# Allegro board HI3516APERB_VER_B_PCB.brd (continued)
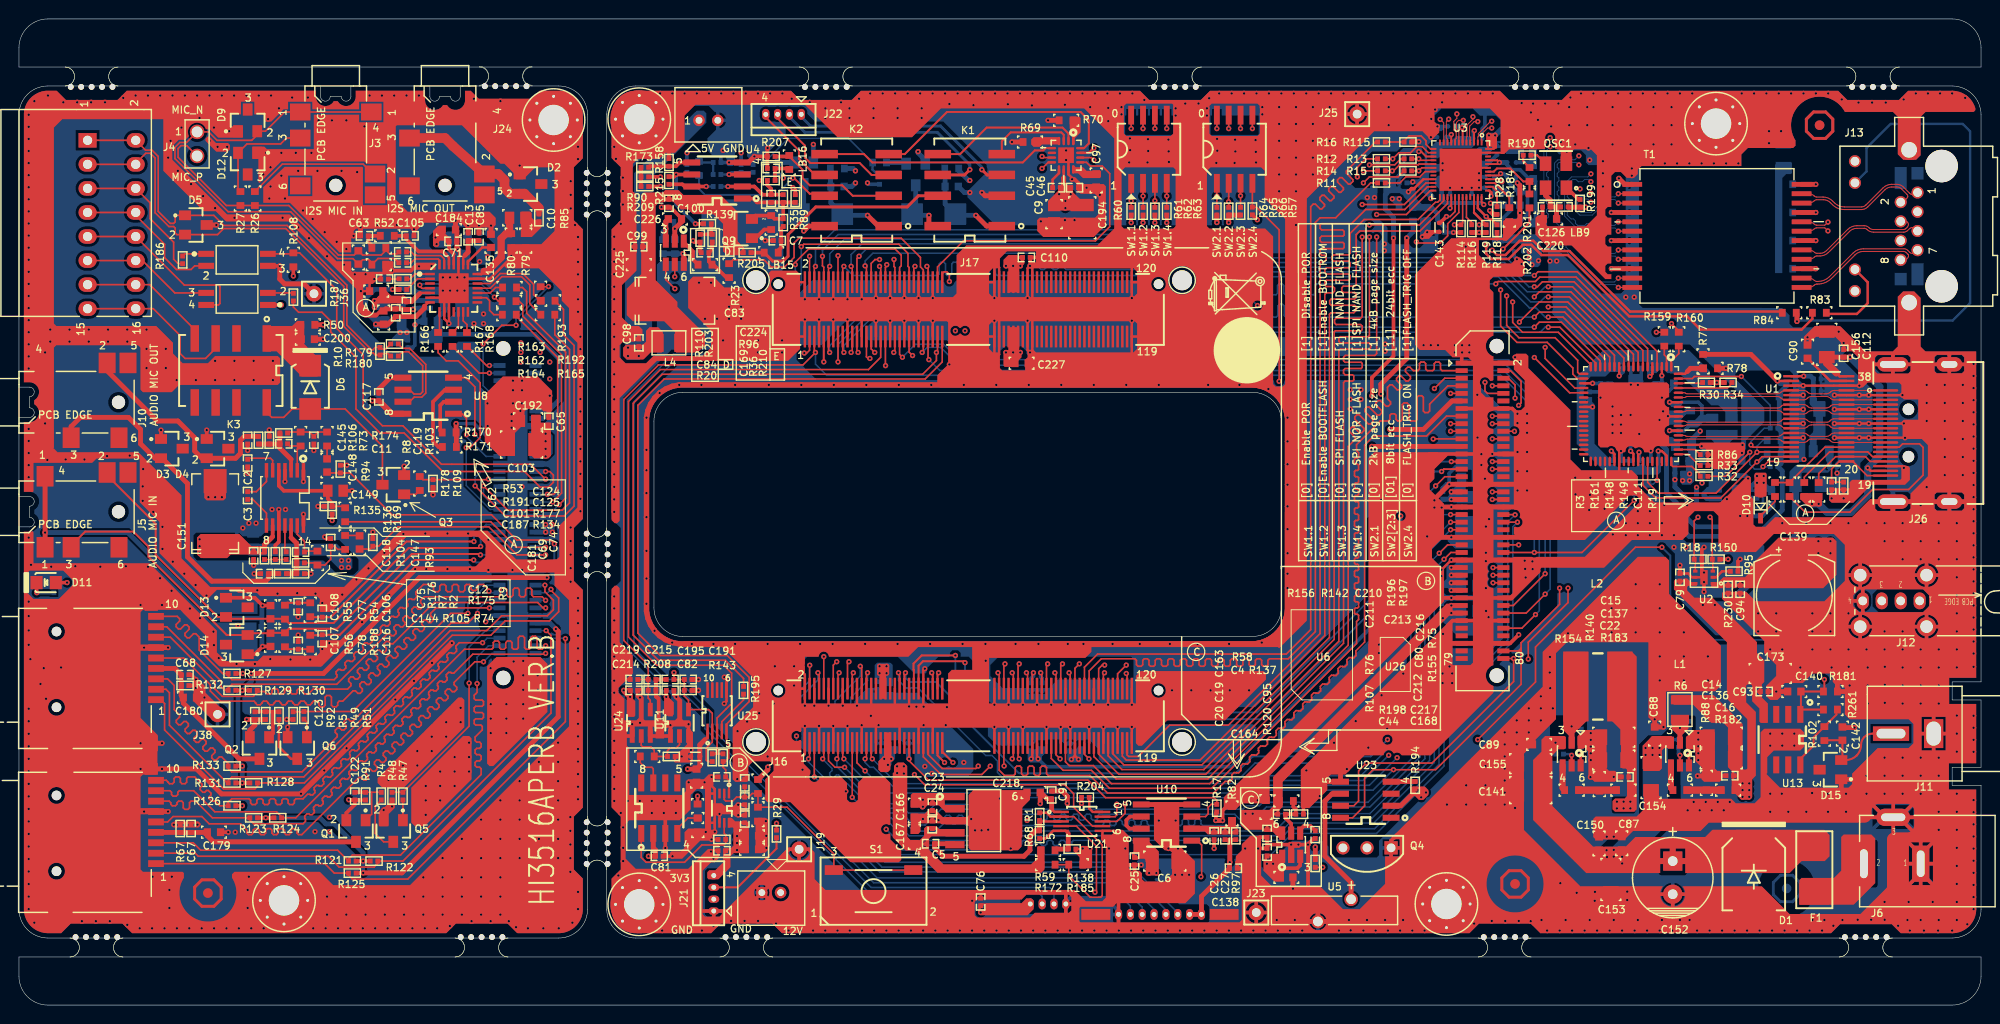
[diagram p0: board, top side]
## Routing (per net, layer and track width the routed paths; a pad name or vN(x,y) marks a point on that pad's centre or on a via; arc(x,y) is an arc through that point) (continued)
  ART03 w0.165: v1(159.26,36.54) 159.2,36.6 v1(157.71,36.6) ; v1(163.45,44.04) 163.45,64.23 170.28,71.06 v1(172.77,71.06)
  ART04 w0.165: v1(92.8,35.1) 92.8,36.58 92.46,36.92 86.11,36.92 85.34,36.16 84.33,36.16 83.69,36.8 68.25,36.8 65.2,39.85 65.2,65.67 69.22,69.69 v1(69.22,75.66)
  BOTTOM w0.165: v1(142.18,25.56) 130.43,25.56 128.76,23.89 103.94,23.89 103.25,24.58 103.25,25.77 102.67,26.36 102.01,26.36 94.87,33.5 93.6,33.5 92.8,34.29 v1(92.8,35.1)
I2C2_SDA_C: length 4.3
  TOP w0.165: R168.2 47.32,69.56 49.33,67.55 v1(49.64,67.55)
  BOTTOM w0.165: J9.80 v1(49.64,67.55)
I2S_BCLK_TX: length 103.9
  TOP w0.165: J8.41 v1(151.06,51.8) ; v1(87.12,25.11) 86.11,25.11 85.42,25.8 J16.11
  BOTTOM w0.165: v1(87.12,25.11) 91.46,20.78 92.66,20.78 94.42,19.02 95.63,19.02 97.3,20.69 129.14,20.69 129.51,21.05 130.88,21.05 131.24,21.41 142.33,21.41 147.36,26.44 147.36,50.13 147.49,50.26 149.48,50.26 149.61,50.39 149.61,50.89 149.48,51.02 147.57,51.02 147.45,51.15 147.45,51.68 147.57,51.8 v1(151.06,51.8)
I2S_BCLK_TX_C: length 28.4
  TOP w0.165: v1(57,52.85) 57.68,53.54 57.68,68.95 53.57,73.07 53.57,75.36 53.14,75.79 R163.2
  BOTTOM w0.165: J9.41 56.5,52.35 v1(57,52.85)
I2S_MCLK: length 107.4
  TOP w0.165: J16.15 86.42,26.12 v1(86.3,26) ; J8.43 v1(151.06,51)
  BOTTOM w0.165: v1(151.06,51) 147.85,47.8 147.85,26.23 142.54,20.92 131.63,20.92 130.39,19.68 128.75,19.68 128.27,20.16 113.98,20.16 113.81,20 113.81,19.69 113.65,19.53 113.32,19.53 113.15,19.69 113.15,20 112.99,20.16 112.66,20.16 112.49,20 112.49,19.69 112.33,19.53 111.99,19.53 111.83,19.69 111.83,20 111.66,20.16 111.33,20.16 111.17,20 111.17,19.69 111,19.53 110.67,19.53 110.51,19.69 110.51,20 110.34,20.16 110.01,20.16 109.85,20 109.85,19.69 109.68,19.53 109.35,19.53 109.19,19.69 109.19,20 109.02,20.16 108.65,20.16 108.49,20 108.49,19.69 108.32,19.53 107.99,19.53 107.83,19.69 107.83,20 107.66,20.16 104.85,20.16 104.68,20 104.68,19.69 104.52,19.53 104.15,19.53 103.98,19.69 103.98,20.03 103.82,20.19 103.49,20.19 103.32,20.03 103.32,19.69 103.16,19.53 102.83,19.53 102.66,19.69 102.66,20.03 102.5,20.19 102.17,20.19 102,20.03 102,19.42 101.6,19.02 99.93,19.02 99.66,19.29 99.66,19.87 99.5,20.03 99.17,20.03 99,19.87 99,19.29 98.84,19.12 98.51,19.12 98.34,19.29 98.34,19.87 98.18,20.03 97.84,20.03 97.68,19.87 97.68,19.29 96.76,18.37 94.37,18.37 92.46,20.28 91.21,20.28 86.3,25.19 v1(86.3,26)
I2S_MCLK_C: length 25.6
  TOP w0.165: v1(56.31,53.13) 57.25,54.07 57.25,68.67 53.16,72.76 53.16,73.96 52.78,74.34 R162.2
  BOTTOM w0.165: v1(56.31,53.13) 54.52,53.13 J9.43
I2S_SD_RX: length 110.5
  TOP w0.165: v1(83.3,26) 83.42,26.12 J16.3 ; J8.42 157.84,51.8 v1(157.86,51.78)
  BOTTOM w0.165: v1(157.86,51.78) 157.1,51.02 157.1,38.58 149.83,31.31 149.83,25.41 143.05,18.62 134.15,18.62 132.92,17.39 111.26,17.39 111.1,17.23 111.1,17.02 110.93,16.86 110.6,16.86 110.43,17.02 110.43,17.23 110.27,17.39 109.94,17.39 109.77,17.23 109.77,17.02 109.61,16.86 109.28,16.86 109.11,17.02 109.11,17.23 108.95,17.39 108.62,17.39 108.45,17.23 108.45,17.02 108.29,16.86 107.96,16.86 107.79,17.02 107.79,17.23 107.63,17.39 107.3,17.39 107.13,17.23 107.13,17.02 106.97,16.86 106.64,16.86 106.47,17.02 106.47,17.23 106.31,17.39 105.98,17.39 105.81,17.23 105.81,17.02 105.65,16.86 105.32,16.86 105.15,17.02 105.15,17.23 104.99,17.39 104.47,17.39 103.46,16.39 92.59,16.39 83.3,25.68 v1(83.3,26)
I2S_SD_RX_C: length 22.7
  TOP w0.165: v1(47.19,58.87) 47.6,58.87 48.67,59.94 48.67,65.73 46.35,68.04 45.09,68.04 44.22,68.9 R166.2
  BOTTOM w0.165: J9.42 49.73,52.35 47.19,54.88 v1(47.19,58.87)
I2S_SD_TX: length 107.8
  TOP w0.165: v1(83.92,24.1) J16.5 ; J8.44 v1(158.12,51)
  BOTTOM w0.165: v1(83.92,24.1) 92.13,15.89 132.12,15.89 134.36,18.13 143.25,18.13 150.37,25.25 150.37,31.14 157.63,38.41 157.63,50.52 v1(158.12,51)
I2S_SD_TX_C: length 33.9
  TOP w0.165: R165.2 56.54,70.81 57.94,69.41 58.09,69.26 58.09,53.03 57.33,52.27 51.59,52.27 v1(49.02,54.83)
  BOTTOM w0.165: v1(49.02,54.83) 49.02,53.82 49.69,53.15 J9.44
I2S_WS_TX: length 105.4
  TOP w0.165: v1(84.8,26) 84.92,26.12 J16.9 ; J8.45 v1(151.06,50.2)
  BOTTOM w0.165: v1(84.8,26) 84.8,25.99 85.79,25 85.79,24.77 85.54,24.52 85.54,24.29 85.77,24.05 86,24.05 86.25,24.3 86.49,24.3 86.72,24.07 86.72,23.84 86.47,23.59 86.47,23.35 86.7,23.12 86.94,23.12 87.19,23.37 87.42,23.37 91,19.79 92.01,19.79 93.92,17.87 102.8,17.87 103.89,18.96 114.28,18.96 114.44,19.13 114.44,19.36 114.61,19.53 114.94,19.53 115.1,19.36 115.1,19.13 115.27,18.96 115.6,18.96 115.76,19.13 115.76,19.36 115.93,19.53 116.26,19.53 116.42,19.36 116.42,19.13 116.59,18.96 116.92,18.96 117.08,19.13 117.08,19.36 117.25,19.53 117.58,19.53 117.75,19.36 117.75,19.13 117.91,18.96 118.24,18.96 118.41,19.13 118.41,19.36 118.57,19.53 118.9,19.53 119.07,19.36 119.07,19.13 119.23,18.96 122.57,18.96 122.74,19.13 122.74,19.49 122.9,19.65 123.23,19.65 123.4,19.49 123.4,19.13 123.56,18.96 123.89,18.96 124.06,19.13 124.06,19.49 124.23,19.65 124.56,19.65 124.72,19.49 124.72,19.13 124.89,18.96 130.63,18.96 131.88,20.22 142.54,20.22 148.35,26.03 148.35,47.49 v1(151.06,50.2)
I2S_WS_TX_C: length 22.9
  TOP w0.165: R164.2 52.48,72.76 56.85,68.4 56.85,54.37 56.41,53.94 v1(55.75,53.94)
  BOTTOM w0.165: v1(55.75,53.94) 55.75,53.95 J9.45
IO3V3_SII9022A: length 56.3
  TOP w0.254: U22.46 170.35,58.22 v1(170.05,58.51) ; U22.21 v1(166.04,65.67) ; U1.2 v1(185.55,65.92) ; U22.3 v1(173.35,66.48)
  TOP w0.508: v1(185.55,65.92) 182.74,68.73 R77.2
  BOTTOM w0.381: 170.05,59.18 v1(170.05,58.51) ; v1(166.04,65.67) 166.06,65.65 C53.1 167.74,65.65 167.77,65.63 ; v1(173.35,66.48) 173.35,66.47 C52.1
  BOTTOM w0.508: v1(185.55,65.92) 185.84,65.63 C61.1 186.54,65.42 185.74,64.62 C177.1 185.74,61.07 R151.2 185.93,60.6 R147.2 R146.2 185.93,57.19 R87.2 186.06,56.41 186.06,52.29 183.26,49.5 176.23,49.5 174.88,50.85 174.88,53.05 173.84,54.1 173.84,58.67 173.1,59.4 C172.1
  BOTTOM w0.762: C172.1 174.35,59.59 LB2.2
IR_LED_CONTROL: length 32.2
  TOP w0.165: v1(86.54,35.1) 86.42,34.98 J16.16
  ART03 w0.165: J21.2 74.46,11.18 85.72,22.45 85.72,27.4 86.74,28.42 86.74,30.32 86.23,30.83 86.23,34.79 v1(86.54,35.1)
IRIS_5V0: length 6.2
  TOP w0.254: R205.1 76.43,79.88 75.69,80.61
  TOP w0.381: C99.1 66.55,80.1 ; C99.1 65.81,79.57 65.91,79.47 ; C99.1 65.81,80.64 65.91,80.74 ; C100.1 68.58,85.69 ; C100.1 69.19,85.08 69.22,85.06 ; C100.1 67.97,85.08 67.94,85.06 ; R205.1 75.69,79.47
JTAG_TCK: length 59.2
  TOP w0.165: J16.8 84.42,34.98 v1(84.3,35.1)
  BOTTOM w0.165: v1(84.3,35.1) 84.3,34.33 80.39,30.42 80.39,23.59 90.55,13.43 115.44,13.43 118.52,10.35 J14.6
JTAG_TDI: length 64.2
  TOP w0.165: J16.28 89.42,34.98 v1(89.54,35.1)
  BOTTOM w0.165: v1(89.54,35.1) 89.54,34.26 87.76,32.48 87.76,31.34 86.74,30.32 82.8,30.32 81.39,28.91 81.39,24.24 91.06,14.57 116.48,14.57 121.02,10.04 J14.4
JTAG_TDO: length 60.3
  TOP w0.165: J16.4 83.42,35.87 v1(83.44,35.89)
  BOTTOM w0.165: J14.7 117.27,10.46 114.81,12.92 90.17,12.92 79.76,23.34 79.76,30.58 83.44,34.26 v1(83.44,35.89)
JTAG_TMS: length 64.5
  TOP w0.165: J16.26 88.92,35.63 v1(88.77,35.78)
  BOTTOM w0.165: J14.5 119.77,10.12 115.82,14.06 90.81,14.06 80.9,23.97 80.9,29.18 82.55,30.83 85.72,30.83 86.11,31.21 86.11,32.1 88.77,34.77 v1(88.77,35.78)
JTAG_TRSTN: length 64.8
  TOP w0.165: v1(87.58,36.26) 87.42,36.11 J16.20
  ART04 w0.165: v1(87.58,36.26) 87.3,35.99 87.3,33.5 86.11,32.3 86.11,31.21 85.6,30.7 84.58,30.7 83.64,29.76 83.64,28.87 83.19,28.42 v1(82.04,28.42)
  BOTTOM w0.165: J14.3 122.27,9.75 116.94,15.08 91.39,15.08 82.04,24.43 v1(82.04,28.42)
LED0_ACTIVE/PHY_AD0: length 47.8
  TOP w0.203: 153.53,83.7 U3.34
  TOP w0.254: 153.53,83.7 R119.2 v1(154.08,82.42) ; v1(154.81,80.23) 154.81,79.34 155.36,78.8 157.19,78.8 158.69,80.3 159.58,80.3 160.66,79.22 163.43,79.22 169.91,72.74 176.02,72.74 177.42,71.34 188.09,71.34 189.23,72.48 R83.1
  ART03 w0.254: v1(154.81,80.23) 154.81,81.88 154.28,82.42 v1(154.08,82.42)
LED1_LINK/PHY_AD1: length 42.3
  TOP w0.203: U3.35 153.93,84.44
  TOP w0.254: R118.2 155.41,82.96 155.13,82.96 v1(154.81,83.28) 153.93,84.16 153.93,84.44 ; v1(155.45,79.72) 155.96,79.22 156.84,79.22 158.34,80.71 159.79,80.71 160.87,79.64 163.61,79.64 170,73.25 185.93,73.25 186.06,73.12
  ART03 w0.254: v1(154.81,83.28) 155.45,82.64 v1(155.45,79.72)
LIGHT_RESISTOR: length 79.9
  TOP w0.203: J17.9 v1(84.92,67.93) ; R29.1 v1(79.93,19.2)
  ART03 w0.203: v1(79.93,19.2) 79.93,21.1 73.25,27.78 73.25,34.21 70.92,36.54 68,36.54 64.89,39.66 64.89,64.19 68.74,68.04 80.85,68.04 82.5,69.69 84.18,69.69 84.92,68.94 v1(84.92,67.93)
MDCK: length 95.8
  TOP w0.165: v1(114.54,35.1) 114.42,34.98 J16.108 ; U3.30 151.93,83.7 150.75,82.52 150.75,81.25 149.99,80.49 147.57,80.49 v1(147.45,80.61)
  ART03 w0.165: v1(114.54,35.1) 115.76,33.88 117.6,33.88 118.92,35.2 132.77,35.2 136.77,39.19 136.77,69.68 137.34,70.25 137.34,70.48 137,70.82 137,71.06 137.23,71.29 137.47,71.29 137.81,70.95 138.04,70.95 138.27,71.18 138.27,71.42 137.72,71.97 137.72,72.15 138,72.44 138.18,72.44 138.74,71.89 138.97,71.89 139.21,72.12 139.21,72.35 138.59,72.97 138.59,73.15 138.88,73.44 139.05,73.44 139.67,72.82 139.91,72.82 140.14,73.05 140.14,73.29 139.52,73.91 139.52,74.08 139.81,74.37 139.99,74.37 140.61,73.75 140.84,73.75 141.08,73.99 141.08,74.22 140.52,74.78 140.52,74.96 140.81,75.24 140.99,75.24 141.54,74.69 141.78,74.69 142.01,74.92 142.01,75.15 141.67,75.49 141.67,75.73 141.91,75.96 142.14,75.96 142.48,75.62 142.71,75.62 142.94,75.86 142.94,76.09 142.61,76.43 142.61,76.66 142.84,76.89 143.07,76.89 143.41,76.56 143.64,76.56 143.88,76.79 143.88,77.02 143.54,77.36 143.54,77.59 143.77,77.83 144.01,77.83 144.35,77.49 144.58,77.49 144.81,77.72 144.81,77.96 144.47,78.3 144.47,78.53 144.71,78.76 144.94,78.76 145.28,78.42 145.51,78.42 145.75,78.66 145.75,78.89 145.41,79.23 145.41,79.46 145.64,79.7 145.88,79.7 146.21,79.36 146.45,79.36 147.45,80.36 v1(147.45,80.61)
MDI0_N: length 39.7
  TOP w0.102: U3.2 153.93,91.67 153.99,91.73 153.99,92.04 155.18,93.23 155.18,93.3 155.23,93.35 v1(155.4,93.35)
  TOP w0.127: T1.3 v1(168.76,84.7)
  ART04 w0.102: v1(155.4,93.35) 155.59,93.16 156.02,93.16 156.84,92.34 156.84,90.77 161.52,86.1 161.52,81.25 161.62,81.15 162.08,81.15 162.18,81.25 162.18,82.86 162.44,83.13 163.16,83.13 163.42,82.86 163.42,81.41 163.63,81.21 164.08,81.21 164.44,81.57 164.44,85.12 164.76,85.44 165.54,85.44 v1(165.86,85.76)
  BOTTOM w0.102: v1(168.76,84.7) 168.38,85.08 167.66,85.08 166.01,83.43 164.69,83.43 164.16,83.97 164.16,84.85 164.72,85.41 165.52,85.41 v1(165.86,85.76)
MDI0_P: length 39.7
  TOP w0.102: U3.1 154.33,91.67 154.27,91.73 154.27,91.93 154.97,92.63 v1(155.4,92.63)
  TOP w0.127: T1.2 v1(168.76,85.69)
  ART04 w0.102: v1(155.4,92.63) 155.65,92.88 155.91,92.88 156.57,92.22 156.57,91.87 156.39,91.69 156.39,91.38 156.57,91.2 156.57,90.66 157.14,90.08 157.14,89.83 157.36,89.61 157.61,89.61 157.83,89.4 157.83,89.15 158.04,88.93 158.29,88.93 158.51,88.71 158.51,88.46 158.72,88.25 158.98,88.25 159.19,88.03 159.19,87.78 159.41,87.56 159.66,87.56 159.87,87.35 159.87,87.1 160.09,86.88 160.34,86.88 160.56,86.67 160.56,86.41 160.77,86.2 161.02,86.2 161.24,85.98 161.24,85.68 161.06,85.5 161.06,85.2 161.24,85.02 161.24,84.71 161.06,84.54 161.06,84.23 161.24,84.05 161.24,83.75 161.06,83.57 161.06,83.27 161.24,83.09 161.24,82.78 161.06,82.61 161.06,82.3 161.24,82.12 161.24,81.13 161.5,80.87 162.19,80.87 162.46,81.13 162.46,82.75 162.56,82.85 163.04,82.85 163.14,82.75 163.14,81.3 163.51,80.93 164.2,80.93 164.72,81.45 164.72,85.01 164.87,85.16 165.51,85.16 v1(165.86,84.8)
  BOTTOM w0.102: v1(168.76,85.69) 168.42,85.36 167.54,85.36 165.9,83.71 164.81,83.71 164.44,84.08 164.44,84.74 164.83,85.13 165.53,85.13 v1(165.86,84.8)
MDI1_N: length 39.1
  TOP w0.102: U3.5 152.73,91.67 152.79,91.73 152.79,92.94 153.42,93.57 v1(153.42,93.82)
  TOP w0.127: T1.6 v1(168.76,81.73)
  ART04 w0.102: v1(165.86,87.79) 165.47,87.39 163.37,87.39 163.09,87.12 163.09,84.42 162.94,84.27 162.56,84.27 162.46,84.37 162.46,86.7 157.86,91.3 157.86,92.44 156.17,94.13 154.1,94.13 153.8,93.82 v1(153.42,93.82)
  BOTTOM w0.102: v1(165.86,87.79) 165.54,87.47 163.83,87.47 163.09,86.73 163.09,83.32 164.34,82.07 168.42,82.07 v1(168.76,81.73)
MDI1_P: length 39.1
  TOP w0.102: v1(153.93,93.31) 153.55,93.31 153.07,92.83 153.07,91.73 153.13,91.67 U3.4
  TOP w0.127: T1.5 v1(168.76,82.72)
  ART04 w0.102: v1(165.86,86.96) 165.73,86.96 165.58,87.12 163.49,87.12 163.37,87 163.37,84.31 163.06,83.99 162.44,83.99 162.18,84.26 162.18,86.58 160.45,88.31 160.2,88.31 159.98,88.53 159.98,88.78 159.76,89 159.51,89 159.3,89.21 159.3,89.46 159.08,89.68 158.83,89.68 158.61,89.89 158.61,90.15 158.4,90.36 158.15,90.36 157.93,90.58 157.93,90.83 157.58,91.18 157.58,92.32 156.06,93.85 154.25,93.85 153.93,93.52 v1(153.93,93.31)
  BOTTOM w0.102: v1(165.86,86.96) 165.63,87.19 165.2,87.19 164.97,86.96 164.52,86.96 164.29,87.19 163.95,87.19 163.37,86.62 163.37,85.36 163.55,85.18 163.55,84.88 163.37,84.7 163.37,84.4 163.55,84.22 163.55,83.91 163.37,83.74 163.37,83.43 163.77,83.03 164.03,83.03 164.24,82.82 164.24,82.56 164.46,82.35 165.23,82.35 165.4,82.53 165.71,82.53 165.89,82.35 166.19,82.35 166.37,82.53 166.67,82.53 166.85,82.35 168.38,82.35 v1(168.76,82.72)
MDI2_N: length 40.2
  TOP w0.102: U3.8 151.53,91.42 151.65,91.53 151.65,91.78 151.65,92.18 151.4,92.44 151.4,93.33 151.72,93.65 v1(151.72,94.12)
  TOP w0.127: T1.9 v1(168.76,78.76)
  ART04 w0.102: v1(164.59,89.69) 164.27,89.38 163.54,89.38 163.25,89.09 163.25,88.32 163.03,88.11 162.5,88.11 162.28,88.32 162.28,88.96 161.66,89.58 160.91,89.58 158.72,91.76 158.72,92.67 156.45,94.94 153.12,94.94 152.32,94.13 151.73,94.13 v1(151.72,94.12)
  BOTTOM w0.102: v1(164.59,89.69) 164.2,89.3 164.17,89.27 162.38,89.27 162.03,88.92 162.03,82.78 165.71,79.1 168.42,79.1 v1(168.76,78.76)
MDI2_P: length 40.2
  TOP w0.102: v1(152.4,93.44) 151.91,93.44 151.68,93.21 151.68,92.55 151.93,92.3 151.93,91.78 151.93,91.64 151.93,91.64 151.93,91.53 U3.7
  TOP w0.127: T1.8 v1(168.76,79.75)
  ART04 w0.102: v1(164.59,88.74) 164.24,89.1 163.65,89.1 163.53,88.97 163.53,88.21 163.14,87.83 162.38,87.83 162,88.21 162,88.84 161.54,89.3 160.79,89.3 158.45,91.65 158.45,92.55 156.34,94.66 153.24,94.66 152.4,93.82 v1(152.4,93.44)
  BOTTOM w0.102: v1(164.59,88.74) 164.34,88.99 163.58,88.99 163.4,88.82 163.09,88.82 162.92,88.99 162.5,88.99 162.31,88.8 162.31,88.5 162.48,88.32 162.48,88.02 162.31,87.84 162.31,87.53 162.48,87.36 162.48,87.05 162.31,86.87 162.31,86.57 162.48,86.39 162.48,86.09 162.31,85.91 162.31,85.6 162.48,85.42 162.48,85.12 162.31,84.94 162.31,84.47 162.48,84.3 162.48,83.99 162.31,83.81 162.31,82.9 162.52,82.68 162.77,82.68 162.99,82.47 162.99,82.22 163.2,82 163.46,82 163.67,81.79 163.67,81.53 163.89,81.32 164.14,81.32 164.35,81.1 164.35,80.85 164.57,80.64 164.82,80.64 165.04,80.42 165.04,80.17 165.83,79.38 168.38,79.38 v1(168.76,79.75)
MDI3_N: length 39.4
  TOP w0.102: v1(149.96,93.54) 149.97,93.54 150.33,93.19 U3.11
  TOP w0.127: T1.12 v1(168.76,75.79)
  ART04 w0.102: v1(161.57,91.61) 161.29,91.33 160.99,91.33 160.58,91.74 160.58,92.14 157.12,95.6 151.37,95.6 150.22,94.44 150.22,93.8 v1(149.96,93.54)
  BOTTOM w0.102: v1(161.57,91.61) 160.91,90.95 160.91,81.97 166.79,76.09 168.46,76.09 v1(168.76,75.79)
MDI3_P: length 39.4
  TOP w0.102: v1(150.86,93.57) 150.61,93.32 150.61,91.57 150.73,91.45 U3.10
  TOP w0.127: T1.11 v1(168.76,76.78)
  ART04 w0.102: v1(161.57,90.66) 161.17,91.05 160.87,91.05 160.3,91.62 160.3,92.03 159.66,92.67 159.4,92.67 159.19,92.89 159.19,93.14 158.97,93.35 158.72,93.35 158.51,93.57 158.51,93.82 158.29,94.04 158.04,94.04 157.82,94.25 157.82,94.5 157.01,95.32 151.49,95.32 150.5,94.33 150.5,93.93 v1(150.86,93.57)
  BOTTOM w0.102: v1(168.76,76.78) 168.35,76.37 166.9,76.37 163.24,80.04 163.24,80.29 163.02,80.51 162.77,80.51 162.55,80.72 162.55,80.97 162.34,81.19 162.09,81.19 161.87,81.4 161.87,81.66 161.66,81.87 161.4,81.87 161.19,82.09 161.19,83.05 161.37,83.23 161.37,83.53 161.19,83.71 161.19,84.02 161.37,84.19 161.37,84.5 161.19,84.68 161.19,84.98 161.37,85.16 161.37,85.46 161.19,85.64 161.19,85.95 161.37,86.12 161.37,86.43 161.19,86.61 161.19,86.91 161.37,87.09 161.37,87.39 161.19,87.57 161.19,87.88 161.37,88.06 161.37,88.36 161.19,88.54 161.19,88.84 161.37,89.02 161.37,89.33 161.19,89.5 161.19,90.28 v1(161.57,90.66)
MDIO: length 88
  TOP w0.165: J16.90 109.92,35.85 v1(110.11,36.04) ; U3.31 152.33,82.6 R114.2 v1(151.46,82.42)
  ART03 w0.165: v1(151.46,82.42) 151.22,82.42 137.76,68.95 137.76,38.78 133.18,34.21 119.52,34.21 118.11,32.8 112.08,32.8 110.11,34.77 v1(110.11,36.04)
MICBIAS_AK7756_0: length 7.7
  TOP w0.254: U17.26 45.37,78.93 45.09,79.22
  TOP w0.381: 45.09,79.22 44.7,79.6 42.16,79.6 40.87,80.89 C105.1 R52.2
MICINN_AK7756_0: length 53.6
  TOP w0.165: C125.1 39.63,78.85 37.89,78.85 R191.1 37.24,78.42 36.94,78.71 36.26,78.71 C62.2 35.24,78.83 33.62,78.83 28.67,83.79 22.07,83.79 16.46,89.4 16.46,90.6 16.97,91.1 17.68,91.1 J4.1 20.02,92.22 20.9,91.33 24.56,91.33 25.15,91.92 D9.2 26.01,92.3 28.03,94.32 J3.1 J3.4
MICINP_AK7756_0: length 32.2
  TOP w0.165: 38.71,79.75 38.71,79.7 38.23,79.22 36.26,79.22 C62.1 35.37,79.22 33.71,79.22 28.47,84.45 R26.2 R27.2 21.88,84.45 16.79,89.54 16.79,90.46 17.1,90.77 17.7,90.77 J4.2 ; 38.71,79.75 39.12,79.34 39.88,79.34 C124.1 ; 38.71,79.75 R53.2
MUTE: length 91.7
  TOP w0.165: v1(149.48,54.83) 150.45,55.8 J8.31 ; v1(90.04,26) 89.92,26.12 J16.29
  BOTTOM w0.165: v1(149.48,54.83) 146.86,52.22 146.86,29.5 141.59,24.22 129.79,24.22 128.96,23.39 92.65,23.39 v1(90.04,26)
MUTE_C: length 23.3
  TOP w0.165: R169.1 49.78,51.05 52.48,48.35 v1(55.57,48.35)
  BOTTOM w0.165: J9.31 v1(55.57,48.35)
PER_RSTN: length 170
  TOP w0.165: v1(170.43,53.31) 164.93,47.8 v1(159.89,47.8) J8.52 ; J17.5 83.92,69.05 v1(84.04,68.93) 84.04,68.92 82.73,67.61 67.47,67.61 63.82,63.96 63.82,38.51 66.4,35.93 C215.1 ; C215.1 C219.1 ; C215.1 R208.1 66.4,32.43 66.61,32.21 U24.4
  BOTTOM w0.165: v1(84.04,68.93) 84.04,67.69 85.22,66.52 155.11,66.52 156.34,66.52 159.89,62.96 v1(159.89,47.8) ; v1(170.43,53.31) R31.1
PER_RSTN_C: length 38.4
  TOP w0.165: R192.2 56.57,74.36 57.45,73.48 57.45,70.78 58.57,69.67 58.57,52.7 57.53,51.66 51.31,51.66 v1(48.13,54.83)
  BOTTOM w0.165: J9.52 48.76,56.35 48.13,55.72 v1(48.13,54.83)
PHY_AD2: length 6.2
  TOP w0.165: R16.2 R115.2 146.15,91.26 146.69,91.79 147.96,91.79 148.46,91.28 148.46,90.9 148.94,90.42 U3.13
POR_SEL: length 106
  TOP w0.165: R60.2 117.36,84.93 v1(117.35,84.94) 117.36,84.94 SW1.1 ; J17.57 96.92,69.05 v1(96.8,68.93) 96.8,68.07 95.36,66.62 67.88,66.62 64.81,63.55 64.81,39.08 67.47,36.42 74.54,36.42 76.45,34.5 R195.2
  ART03 w0.165: v1(117.35,84.94) 117.35,84.68 105.54,72.87 105.54,71.47 103,68.93 v1(96.8,68.93)
RGMII_RX_CLK: length 92.2
  TOP w0.165: J16.102 112.92,35.29 114.2,36.58 117.75,36.58 117.91,36.41 117.91,35.95 118.08,35.78 118.41,35.78 118.57,35.95 118.57,36.41 118.74,36.58 119.07,36.58 119.23,36.41 119.23,35.95 119.4,35.78 119.73,35.78 119.9,35.95 119.9,36.41 120.06,36.58 120.39,36.58 120.56,36.41 120.56,35.95 120.72,35.78 121.05,35.78 121.22,35.95 121.22,36.41 121.38,36.58 121.71,36.58 121.88,36.41 121.88,35.95 122.04,35.78 122.37,35.78 122.54,35.95 122.54,36.41 122.7,36.58 123.03,36.58 123.2,36.41 123.2,35.95 123.36,35.78 123.69,35.78 123.86,35.95 123.86,36.41 124.02,36.58 124.35,36.58 124.52,36.41 124.52,35.95 124.68,35.78 125.01,35.78 125.18,35.95 125.18,36.41 125.34,36.58 125.67,36.58 125.84,36.41 125.84,35.95 126,35.78 126.33,35.78 126.5,35.95 126.5,36.41 126.66,36.58 126.99,36.58 127.16,36.41 127.16,35.95 127.32,35.78 127.65,35.78 127.82,35.95 127.82,36.41 127.99,36.58 128.32,36.58 128.48,36.41 128.48,35.95 128.65,35.78 128.98,35.78 129.14,35.95 129.14,36.41 129.31,36.58 129.64,36.58 129.8,36.41 129.8,35.95 129.97,35.78 130.3,35.78 130.46,35.95 130.46,36.41 130.63,36.58 130.96,36.58 131.12,36.41 131.12,35.95 131.29,35.78 131.62,35.78 131.78,35.95 131.78,36.41 131.95,36.58 133.92,36.58 136.79,39.44 136.79,82.66 137.29,83.15 138.94,83.15 142.62,86.84 R11.1
RGMII_RX_DV: length 90
  TOP w0.165: J16.100 112.42,35.68 113.81,37.07 133.72,37.07 136.3,39.65 136.3,84.32 136.56,84.59 136.8,84.59 137.29,84.1 137.47,84.1 137.76,84.38 137.76,84.56 137.26,85.06 137.26,85.29 137.5,85.52 137.73,85.52 138.29,84.97 138.47,84.97 138.75,85.25 138.75,85.43 138.2,85.99 138.2,86.22 138.43,86.46 138.66,86.46 139.28,85.84 139.46,85.84 139.75,86.13 139.75,86.3 139.13,86.92 139.13,87.16 139.37,87.39 139.6,87.39 140.28,86.71 140.46,86.71 140.75,87 140.75,87.18 140.07,87.86 140.07,88.09 143.13,91.15 R16.1
RGMII_RXD0: length 90.4
  TOP w0.165: v1(141.22,87.47) 141.22,88.49 142.11,89.38 R12.1 ; J16.118 116.92,34.94 v1(116.84,35.02)
  ART03 w0.165: v1(116.84,35.02) 118.01,36.19 132.24,36.19 135.78,39.73 135.78,75.44 135.94,75.61 137.41,75.61 137.54,75.74 137.54,76.14 137.41,76.27 136.02,76.27 135.89,76.4 135.89,76.8 136.02,76.93 140.34,76.93 140.46,77.06 140.46,77.49 140.34,77.61 136.06,77.61 135.89,77.78 135.89,78.11 136.06,78.27 140.3,78.27 140.46,78.44 140.46,86.71 v1(141.22,87.47)
RGMII_RXD1: length 92.9
  TOP w0.165: R13.1 145.8,89.38 145.16,88.74 v1(142.49,88.74) ; v1(111.89,36.04) 111.42,35.57 J16.96
  ART03 w0.165: v1(111.89,36.04) 113.03,37.18 131.83,37.18 134.79,40.14 134.79,80.65 135.74,81.6 135.97,81.6 136.78,80.79 136.96,80.79 137.25,81.08 137.25,81.26 136.22,82.29 136.22,82.47 136.51,82.76 136.69,82.76 137.5,81.95 137.73,81.95 137.97,82.18 137.97,82.41 137.16,83.22 137.16,83.4 137.44,83.69 137.62,83.69 138.78,82.54 138.96,82.54 139.24,82.82 139.24,83 138.31,83.94 138.31,84.17 139.22,85.09 139.22,87.63 140.34,88.74 v1(142.49,88.74)
RGMII_RXD2: length 90.3
  TOP w0.165: J16.114 115.92,34.99 v1(116.84,35.91) ; v1(141.86,88.11) R14.1
  ART03 w0.165: v1(141.86,88.11) 140.84,88.11 139.83,87.09 139.83,81.82 139.66,81.65 138.18,81.65 138.05,81.52 138.05,81.12 138.18,80.99 139.66,80.99 139.83,80.83 139.83,80.45 139.66,80.28 135.45,80.28 135.28,80.12 135.28,79.79 135.45,79.62 139.66,79.62 139.83,79.46 139.83,79.09 139.7,78.96 135.53,78.96 135.28,78.71 135.28,39.93 132.03,36.68 117.61,36.68 v1(116.84,35.91)
RGMII_RXD3: length 91
  TOP w0.165: v1(114.55,35.91) 114.3,35.91 113.92,35.53 J16.106 ; R15.1 145.52,87.47 142.49,87.47 v1(141.86,86.84)
  ART03 w0.165: v1(114.55,35.91) 116.08,34.38 117.22,34.38 118.53,35.69 132.5,35.69 136.27,39.46 136.27,71.85 136.44,72.02 136.87,72.02 137.03,72.18 137.03,72.51 136.87,72.68 136.44,72.68 136.27,72.84 136.27,73.17 136.44,73.34 137.92,73.34 138.05,73.46 138.05,73.87 137.92,74 136.44,74 136.27,74.16 136.27,74.49 136.44,74.66 139.19,74.66 139.32,74.78 139.32,75.19 139.19,75.32 138.18,75.32 138.05,75.44 138.05,75.91 138.18,76.04 140.84,76.04 140.97,76.17 140.97,85.95 v1(141.86,86.84)
RGMII_TX_CLK: length 94.2
  TOP w0.165: J16.109 114.92,26.33 116.38,24.87 125.02,24.87 138.77,38.62 138.77,71.09 138.9,71.21 141.6,71.21 141.73,71.34 141.73,71.71 141.57,71.88 138.98,71.88 138.81,72.04 138.81,72.37 138.98,72.54 141.57,72.54 141.73,72.7 v1(141.73,81.12) ; U3.22 148.45,86.82 146.18,84.55 v1(141.73,84.55)
  ART03 w0.165: v1(141.73,84.55) v1(141.73,81.12)
RGMII_TX_EN: length 94.7
  TOP w0.165: J16.111 115.42,26.53 116.59,25.37 124.82,25.37 138.28,38.83 138.28,72.97 138.43,73.12 140.84,73.12 141.1,73.37 141.1,73.74 140.93,73.91 138.47,73.91 138.3,74.07 138.3,74.4 138.47,74.57 140.93,74.57 141.1,74.73 141.1,75.1 140.93,75.27 139.74,75.27 139.57,75.43 139.57,75.76 139.74,75.93 140.93,75.93 141.1,76.09 141.1,81.37 141.48,81.76 147.83,81.76 150.73,84.66 U3.27
RGMII_TXD0: length 94.2
  TOP w0.165: J16.117 116.92,26.42 117.09,26.26 118.11,26.26 121.41,29.56 127.61,29.56 137.29,39.24 137.29,78.36 137.45,78.53 137.76,78.53 137.92,78.69 137.92,79.02 137.76,79.19 137.45,79.19 137.29,79.35 137.29,79.72 137.45,79.89 139.7,79.89 139.83,80.01 139.83,80.42 139.7,80.55 137.45,80.55 137.29,80.71 137.29,81.04 137.45,81.21 139.7,81.21 139.83,81.34 139.83,81.7 139.66,81.87 137.45,81.87 137.29,82.03 137.29,82.36 137.45,82.53 140.6,82.53 142.09,84.02 146.22,84.02 148.62,86.42 U3.23
RGMII_TXD1: length 95.7
  TOP w0.165: v1(143.26,83.5) 146.39,83.5 148.92,86.02 U3.24 ; J16.103 113.42,26.25 115.79,23.88 125.43,23.88 139.76,38.21 139.76,65.74 139.93,65.91 140.72,65.91 140.84,66.03 140.84,66.44 140.72,66.57 139.93,66.57 139.76,66.73 139.76,67.06 139.93,67.23 141.6,67.23 141.73,67.35 141.73,67.76 141.6,67.89 139.93,67.89 139.76,68.05 139.76,68.42 139.95,68.61 143.07,68.61 143.26,68.8 v1(143.26,81.12)
  ART03 w0.165: v1(143.26,81.12) v1(143.26,83.5)
RGMII_TXD2: length 94.6
  TOP w0.165: J16.115 116.42,26.29 116.84,25.88 124.63,25.88 137.78,39.03 137.78,75.06 137.95,75.23 138.65,75.23 138.81,75.39 138.81,75.72 138.65,75.89 137.95,75.89 137.78,76.05 137.78,76.38 137.95,76.55 140.34,76.55 140.46,76.68 140.46,77.04 140.3,77.21 137.96,77.21 137.79,77.37 137.79,77.7 137.96,77.87 140.3,77.87 140.46,78.03 140.46,78.4 140.3,78.57 138.72,78.57 138.56,78.73 138.56,79.06 138.72,79.23 140.3,79.23 140.46,79.39 140.46,81.5 141.93,82.97 147.64,82.97 149.46,84.79 149.7,84.79 149.93,85.03 U3.25
RGMII_TXD3: length 95.8
  TOP w0.165: U3.26 150.33,84.96 147.76,82.39 v1(142.49,82.39) ; J16.105 113.92,26.51 116.05,24.38 125.23,24.38 139.27,38.42 139.27,69.11 139.43,69.27 142.46,69.27 142.62,69.44 142.62,69.77 142.46,69.93 139.43,69.93 139.27,70.1 139.27,70.43 139.43,70.59 142.37,70.59 142.49,70.72 v1(142.49,81.12)
  ART03 w0.165: v1(142.49,82.39) v1(142.49,81.12)
